# Altium PCB R3D904.PcbDoc (continued)
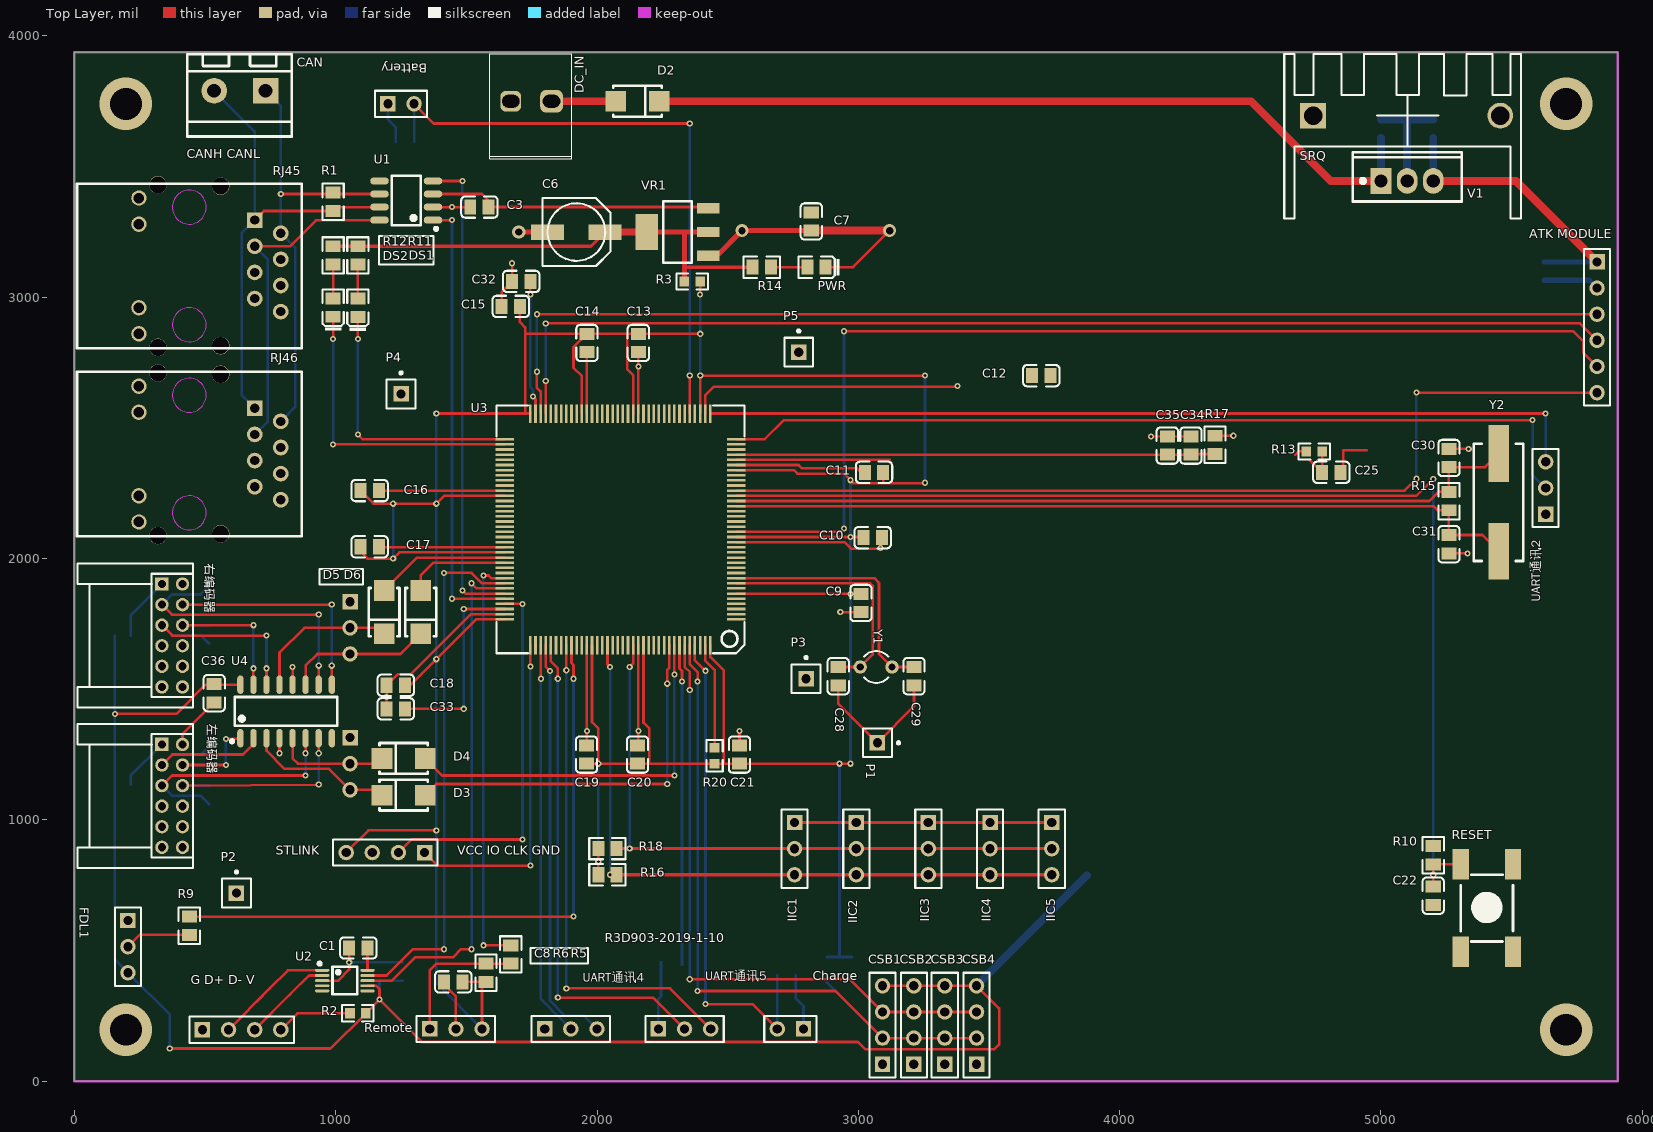
[diagram p0: Top Layer view]
## Footprints (in the part's own frame and the unit in brackets; to place one, negate y for a bottom-side part, rotate by r counter-clockwise, add the part's x,y. Pads: shape width x height; smd on the part's side, far side on the other; paste and mask are expansions set on the pad) (continued)
  rect 10x70.87 smd: 37(98.07,-787.38) 38(117.76,-787.38) 39(137.44,-787.38) 40(157.13,-787.38) 41(176.81,-787.38) 42(196.5,-787.38) 43(216.18,-787.38) 44(235.87,-787.38) 45(255.55,-787.38) 46(275.24,-787.38) 47(294.92,-787.38) 48(314.61,-787.38) 49(334.29,-787.38) 50(353.98,-787.38) 51(373.66,-787.38) 52(393.35,-787.38) 53(413.03,-787.38) 54(432.72,-787.38) 55(452.4,-787.38) 56(472.09,-787.38) 57(491.77,-787.38) 58(511.46,-787.38) 59(531.14,-787.38) 60(550.83,-787.38) 61(570.51,-787.38) 62(590.2,-787.38) 63(609.88,-787.38) 64(629.57,-787.38) 65(649.25,-787.38) 66(668.94,-787.38) 67(688.62,-787.38) 68(708.31,-787.38) 69(727.99,-787.38) 70(747.68,-787.38) 71(767.36,-787.38) 72(787.05,-787.38) 109(787.05,98.45) 110(767.36,98.45) 111(747.68,98.45) 112(727.99,98.45) 113(708.31,98.45) 114(688.62,98.45) 115(668.94,98.45) 116(649.25,98.45) 117(629.57,98.45) 118(609.88,98.45) 119(590.2,98.45) 120(570.51,98.45) 121(550.83,98.45) 122(531.14,98.45) 123(511.46,98.45) 124(491.77,98.45) 125(472.09,98.45) 126(452.4,98.45) 127(432.72,98.45) 128(413.03,98.45) 129(393.35,98.45) 130(373.66,98.45) 131(353.98,98.45) 132(334.29,98.45) 133(314.61,98.45) 134(294.92,98.45) 135(275.24,98.45) 136(255.55,98.45) 137(235.87,98.45) 138(216.18,98.45) 139(196.5,98.45) 140(176.81,98.45) 141(157.13,98.45) 142(137.44,98.45) 143(117.76,98.45) 144(98.07,98.45)
  silkscreen extent -32,-819 917,130
PHB_2x6_2.0 [mm] "Connector; Header; 6x2 Position"
  rect 1.3x1.3 hole 0.8: 1(0,0)
  round 1.3 hole 0.8: 2(0,2) 3(2,0) 4(2,2) 5(4,0) 6(4,2) 7(6,0) 8(6,2) 9(8,0) 10(8,2) 11(10,0) 12(10,2)
  silkscreen extent -2,-8.2 12,3
PIN1 [mm] "Connector; Plug"
  rect 1.5x1.5 hole 0.9: 1(0,0)
  silkscreen extent -1.4,-1.4 1.4,2.18
R38 [mm] "Crystal, Thru-Hole; 2 Leads; Body 3.1 x 8.2 mm (Dia.xH)"
  round 1.3 hole 0.7: 1(0,1.55) 2(0,-1.55)
  silkscreen extent -1.55,-1.19 1.55,1.17
RJ45 [mm]
  rect 1.524x1.524 hole 0.889: 1(10.168,-6.35)
  round 1.524 hole 0.889: 2(8.898,-8.89) 3(7.628,-6.35) 4(6.358,-8.89) 5(5.088,-6.35) 6(3.818,-8.89) 7(2.548,-6.35) 8(1.278,-8.89)
  round 1.5 hole 1.02: 9(12.318,4.9) 10(9.782,4.9) 11(1.654,4.9) 12(-0.882,4.9)
  round 1.7 hole 1.65: 13(13.468,-3.048) 13(13.605,3.05) 14(-2.2,3.05) 14(-2.032,-3.048)
  Keep-Out Layer circle w0.051: c0.004,0 r1.65
  Keep-Out Layer circle w0.051: c11.434,0 r1.65
  silkscreen extent -2.28,-10.92 13.72,10.92
"VH-2A - Circle Hole" [mm] "Header 2 use for Power"
  rrect50% 2.2x2.2 hole 1.24 slot 1.7 at 0 deg: 1(0,0)
  rrect50% 2x2 hole 1.24 slot 1.7 at 0 deg: 2(3.96,0)
  silkscreen extent -1.98,-4.6 6.02,5.61

## Part data
"ATK MODULE": "Header, 6-Pin", LatestRevisionDate=17-Jul-2002, LatestRevisionNote="Re-released for DXP Platform.", Publisher="Altium Limited"
Battery Charge: "Header, 2-Pin", LatestRevisionDate=17-Jul-2002, LatestRevisionNote="Re-released for DXP Platform.", Publisher="Altium Limited"
C1 C2 C3 C4 C8 C9 C10 C11 C12 C13 C14 C15 C16 C17 C18 C19 C20 C21 C22 C24 C35: library part "0805 100nF(104) 10% 50V", "贴片电容", Package=0805, SuppliersPartNumber=C49678, ComponentLink1Description=供应商链接, ComponentLink1URL=http://www.szlcsc.com/product/details_50686.html, Supplier=LC
C5 C7 C34: library part "0805 10uF (106) 10% 25V", "贴片电容", Package=0805, SuppliersPartNumber=C15850, ComponentLink1Description=供应商链接, ComponentLink1URL=http://www.szlcsc.com/product/details_16532.html, Supplier=LC
C6: library part CAP
C23: library part "0805 330nF (334) 10% 50V", "贴片电容", Package=0805, SuppliersPartNumber=C1740, ComponentLink1Description=供应商链接, ComponentLink1URL=http://www.szlcsc.com/product/details_2092.html, Supplier=LC
C25 C32 C33: library part "0805 2.2uF (225) 20% 50V", "贴片电容", Package=0805, SuppliersPartNumber=C49217, ComponentLink1Description=供应商链接, ComponentLink1URL=http://www.szlcsc.com/product/details_50225.html, Supplier=LC
C26 C27 C36: library part "0805 1uF (105) 10% 50V", "贴片电容", Package=0805, SuppliersPartNumber=C28323, ComponentLink1Description=供应商, ComponentLink1URL=http://www.szlcsc.com/product/details_29074.html, Supplier=LC
C28 C29: library part "0805 1.0pF (010) 0.25pF 50V", "贴片电容", Package=0805, SuppliersPartNumber=C14971, ComponentLink1Description=供应商链接, ComponentLink1URL=http://www.szlcsc.com/product/details_15644.html, Supplier=LC
C30 C31: library part "0805 22pF (220) 5% 50V", "贴片电容", Package=0805, SuppliersPartNumber=C1804, ComponentLink1Description=供应商链接, ComponentLink1URL=http://www.szlcsc.com/product/details_2156.html, Supplier=LC
CAN: library part HEAD2
CSB1 CSB2 CSB3 CSB4 "G D+ D- V" STLINK: "Header, 4-Pin", LatestRevisionDate=17-Jul-2002, LatestRevisionNote="Re-released for DXP Platform.", Publisher="Altium Limited"
D2 D3 D4 D5 D6: library part "SMA(DO-214AC) SS210", "二极管", Package=SMA(DO-214AC), SuppliersPartNumber=C14996, ComponentLink1Description=供应商链接, ComponentLink1URL=http://www.szlcsc.com/product/details_15669.html, Supplier=LC
DC_IN: "贴片2p座"
DS1: library part "0805 红灯", "发光二极管", Package=0805, SuppliersPartNumber=C2295, ComponentLink1Description=供应商链接, ComponentLink1URL=http://www.szlcsc.com/product/details_2668.html, Supplier=LC
DS2: library part "0805 翠绿", "发光二极管", Package=0805, SuppliersPartNumber=C2297, ComponentLink1Description=供应商链接, ComponentLink1URL=http://www.szlcsc.com/product/details_2670.html, Supplier=LC
FDL1 IIC1 IIC2 IIC3 IIC4 IIC5 LEFT_IN Remote RIGHT_IN UART通讯2 UART通讯4 UART通讯5: "Header, 3-Pin", LatestRevisionDate=17-Jul-2002, LatestRevisionNote="Re-released for DXP Platform.", Publisher="Altium Limited"
PWR: library part "0805 蓝灯", "发光二极管", Package=0805, SuppliersPartNumber=C2293, ComponentLink1Description=供应商链接, ComponentLink1URL=http://www.szlcsc.com/product/details_2666.html, Supplier=LC
R1 R23 R24 R25 R26: library part "0805 120Ω (1200) 1%", "贴片电阻", Package=0805, SuppliersPartNumber=C17437, ComponentLink1Description=供应商链接, ComponentLink1URL=http://www.szlcsc.com/product/details_18125.html, Supplier=LC
R2: library part "0603 1Ω (1R00) 1%", "贴片电阻", Package=0603, SuppliersPartNumber=C22936, ComponentLink1Description=供应商链接, ComponentLink1URL=http://www.szlcsc.com/product/details_23663.html, Supplier=LC
R3 R13 R20 R21 R22: library part "0603 0Ω (0R0) 1%", "贴片电阻", Package=0603, SuppliersPartNumber=C21189, ComponentLink1URL=http://www.szlcsc.com/product/details_21903.html, Supplier=LC
  R3 R13 R20: ComponentLink1Description=供应商链接
  R21 R22: ComponentLink1Description=供应商
R4 R6 R7 R9 R16 R18: library part "0805 4.7KΩ (4701) 1%", "贴片电阻", Package=0805, SuppliersPartNumber=C17673, ComponentLink1URL=http://www.szlcsc.com/product/details_18361.html, Supplier=LC
  R4 R7 R9: ComponentLink1Description=供应商
  R6 R16 R18: ComponentLink1Description=供应商链接
R5: library part "0805 1KΩ (1001) 1%", "贴片电阻", Package=0805, SuppliersPartNumber=C17513, ComponentLink1Description=供应商链接, ComponentLink1URL=http://www.szlcsc.com/product/details_18201.html, Supplier=LC
R10 R19: library part "0805 10KΩ (1002) 1%", "贴片电阻", Package=0805, SuppliersPartNumber=C17414, ComponentLink1Description=供应商链接, ComponentLink1URL=http://www.szlcsc.com/product/details_18102.html, Supplier=LC
R11 R12 R14: library part "0805 510KΩ (5103) 1%", "贴片电阻", Package=0805, SuppliersPartNumber=C17733, ComponentLink1Description=供应商链接, ComponentLink1URL=http://www.szlcsc.com/product/details_18421.html, Supplier=LC
R15: library part "0805 1MΩ (1004) 1%", "贴片电阻", Package=0805, SuppliersPartNumber=C17514, ComponentLink1Description=供应商链接, ComponentLink1URL=http://www.szlcsc.com/product/details_18202.html, Supplier=LC
R17: library part "0805 10Ω (10R0) 1%", "贴片电阻", Package=0805, SuppliersPartNumber=C17415, ComponentLink1Description=供应商链接, ComponentLink1URL=http://www.szlcsc.com/product/details_18103.html, Supplier=LC
SRQ: library part Hot_Clear
U1: "CAN", Package=SOIC-8_150mil, SuppliersPartNumber=C6952, ComponentLink1Description=供应商链接, ComponentLink1URL=http://www.szlcsc.com/product/details_7424.html, Supplier=LC
U2: "USB", Package=SOIC-16_150mil, SuppliersPartNumber=C14267, ComponentLink1Description=供应商链接, ComponentLink1URL=http://www.szlcsc.com/product/details_14927.html, Supplier=LC
U4: "接口芯片", Package=SOIC-16_150mil, SuppliersPartNumber=C6180, ComponentLink1Description=供应商链接, ComponentLink1URL=http://www.szlcsc.com/product/details_6646.html, Supplier=LC
V1: "Power Chip"
VR1: library part "SOT-223 AMS1117-3.3", "低压差线性稳压(LDO)", Package=SOT-223, SuppliersPartNumber=C6186, ComponentLink1Description=供应商链接, ComponentLink1URL=http://www.szlcsc.com/product/details_6652.html, Supplier=LC
Y1 Y2: library part XTAL, "Crystal Oscillator", LatestRevisionDate=17-Jul-2002, LatestRevisionNote="Re-released for DXP Platform.", Published=8-Jun-2000, Publisher="Altium Limited"
  Y1: PackageDescription="Crystal, Thru-Hole; 2 Leads; Body 3.1 x 8.2 mm (Dia.xH)", PackageReference=R38
右编码器 左编码器: "Header, 6-Pin, Dual row", LatestRevisionDate=17-Jul-2002, LatestRevisionNote="Re-released for DXP Platform.", Publisher="Altium Limited"
P1 P2 P3 P4 P5: LatestRevisionDate=17-Jul-2002, LatestRevisionNote="Re-released for DXP Platform.", Publisher="Altium Limited"

## Via types
v1: diameter 23.62, hole 11.81, Top Layer to Bottom Layer, 112 vias
v2: diameter 200.79, hole 122.05, Top Layer to Bottom Layer, 4 vias
v3: diameter 50, hole 28, Top Layer to Bottom Layer, 3 vias

## Nets (pads, with @x,y where several pads share a name; then routed paths per layer and width w, separated by ;. In a path a pad name is that pad's centre, name@x,y a point inside that pad or via, vN(x,y) a via of type N, cw(c..) or ccw(c..) an arc to the next point about the centre after c; other vN are vias at no path point)
+3.3: C6.1 R3.1 R11.2 R12.2 R14.2 VR1.2 | length 1908.7
  Top Layer w12: R12.2 1976.81,3195 C6.1 ; 2335,3115 R14.2
  Top Layer w20: VR1.2@2189.72,3249.45 2335,3249.45 ; R3.1 2335,3060.63 2335,3115 2335,3249.45 ; 2335,3250 2335,3249.45 ; VR1.2@2425.94,3249.45 2335,3249.45
  Top Layer w28: C6.1 VR1.2@2189.72,3249.45
+5: "ATK MODULE.1" C2.1 C3.1 C4.2 C5.1 C7.2 C24.2 C36.2 CSB1.4 CSB2.4 CSB3.4 CSB4.4 FDL1.3 R2.1 R21.2 R22.2 U1.3 U2.7 U4.16 V1.3 VR1.3 | length 9226.4
  Top Layer w10: v1(155,1405) 155.8,1405.8 390.8,1405.8 502.36,1517.36 U4.16 ; v1(365,125) 980.31,125 R2.1 v1(1167.64,312.32) ; U2.7 1154.37,365.31 1167.64,352.05 v1(1167.64,312.32) ; U1.3 1560,3395 1585.04,3369.96 C3.1 ; CSB1.4 CSB2.4 CSB3.4 CSB4.4 3538.46,278.94 3538.46,140.17 3520,121.71 3026.72,121.71 2998.43,150 1329.96,150 v1(1167.64,312.32)
  Top Layer w12: C3.1 2420.94,3345 VR1.3
  Top Layer w30: V1.3 5516.77,3445 5826.77,3135
  Bottom Layer w10: v1@154.68,1395.32 R22.2 ; v1(155,1405) 155,1135.32 R21.2 154.68,465.32 FDL1.3 365,255 v1(365,125) ; v1(1167.64,312.32) 1167.64,384.25 C5.1 C2.1
  Bottom Layer w20: C4.2 5826.73,3135.04 5826.77,3135
  Bottom Layer w30: CSB4.4 3875,787.6 ; V1.3 C24.2
A+1: R23.1 U4.2 左编码器.3 | length 614.8
  Top Layer w10: 左编码器.3 375,1250 645,1250 685,1290 U4.2
  Bottom Layer w10: 左编码器.3 375,1250 485,1250 R23.1
A+2: R26.1 U4.10 右编码器.3 | length 1093.4
  Top Layer w10: 右编码器.3 373.59,1785.15 934.4,1785.15 v1(935,1785.75) ; U4.10 v1(935,1590)
  Bottom Layer w10: 右编码器.3 373.59,1862.33 482.29,1862.33 R26.1 ; v1(935,1590) v1@935,1785
A-1: R23.2 U4.1 左编码器.4 | length 423.6
  Top Layer w10: 左编码器.4 v1(580,1210) ; v1(580,1310) 632.36,1310 U4.1
  Bottom Layer w10: 左编码器.4 514.92,1210 R23.2 ; v1(580,1210) v1(580,1310)
A-2: R26.2 U4.9 右编码器.4 | length 979.4
  Top Layer w10: 右编码器.4 v1(985,1823.74) ; U4.9 v1(985,1590)
  Bottom Layer w10: 右编码器.4 513.78,1823.74 R26.2 ; v1(985,1590) v1(985,1823.74)
B+1: R25.2 U4.6 左编码器.5 | length 918.2
  Top Layer w10: 左编码器.5 373.74,1170 v1(885,1170) ; v1(885,1255) U4.6
  Bottom Layer w10: 左编码器.5 373.59,1092.67 482.29,1092.67 R25.2 ; v1(885,1170) v1(885,1255)
B+2: R24.2 U4.14 右编码器.5 | length 820.3
  Top Layer w10: 右编码器.5 375,1705 v1(735,1705) ; U4.14@735,1510.07 U4.14 v1(735,1580)
  Bottom Layer w10: 右编码器.5 375,1705 485.45,1705 R24.2 ; v1(735,1580) v1(735,1705)
B-1: R25.1 U4.7 左编码器.6 | length 800.7
  Top Layer w10: 左编码器.6 v1(935,1135) ; v1(935,1255) U4.7
  Bottom Layer w10: 左编码器.6 513.78,1131.26 R25.1 ; v1(935,1135) v1(935,1255)
B-2: R24.1 U4.15 右编码器.6 | length 600.4
  Top Layer w10: 右编码器.6 v1(685,1745) ; U4.15 v1(685,1580)
  Bottom Layer w10: 右编码器.6 514.47,1745 R24.1 ; v1(685,1580) v1(685,1745)
Battery: Battery.2 C27.2 U3.41 | length 2341.3
  Top Layer w10: Battery.2 1375.16,3665 v1(2355,3665) ; U3.41 v1(2354.96,2699.96)
  Bottom Layer w10: Battery.2 C27.2 C27.2 ; v1(2354.96,2699.96) v1(2354.96,2699.96) v1(2355,3665)
BOOT0: R19.2 U3.138 | length 1228.1
  Top Layer w10: U3.138 2315.59,1579.41 2325,1570 v1(2325,1530)
  Bottom Layer w10: R19.2@2325,445 v1(2325,1530)
BOOT1: U3.48
CAN_H: CAN.2 R1.2 RJ45.1 RJ46.1 U1.7 | length 1819
  Top Layer w10: RJ45.1 724.96,3329.96 R1.2 1005.04,3345 U1.7
  Bottom Layer w10: CAN.2 690,3635 RJ45.1 640,3245 640,2625 RJ46.1
CAN_L: CAN.1 R1.1 RJ45.2 RJ46.2 U1.6 | length 1712.3
  Top Layer w10: v1(790,3395) U1.6
  Bottom Layer w10: CAN.1 790,3731.85 v1(790,3395) RJ45.2 845,3190 845,2580 RJ46.2
CAN_RX: U1.4 U3.103 | length 1845.9
  Top Layer w10: U1.4 v1(1485,3445) ; v1(1485,1878) 1496.98,1866.02 U3.103
  Bottom Layer w10: v1(1485,1878) v1(1485,3445)
CAN_TX: U1.1 U3.104 | length 1722.6
  Top Layer w10: U1.1 v1(1445,3295) ; v1(1445,1846.34) U3.104
  Bottom Layer w10: v1(1445,1846.34) v1(1445,3295)
Charge: C26.2 Charge.2 U3.141 | length 1913.1
  Top Layer w10: U3.141 2374.65,1610.35 v1(2414.51,1570.49) ; v1(2415,295) 2595,295 Charge.2
  Bottom Layer w10: v1@2412.52,1572.48 2415,1570 v1(2415,295) ; C26.2 2690,404.92 Charge.2
FDL1: R9.2 U3.117 | length 2512.4
  Top Layer w10: R9.2 v1(1910,630) ; U3.117 1902.2,1600.31 1910,1592.52 v1(1910,1540)
  Bottom Layer w10: v1(1910,630) v1(1910,1540)
GBC_KEY: "ATK MODULE.5" U3.18 | length 4136.2
  Top Layer w10: U3.18 2932.24,2102.24 v1(2945,2115) ; v1(2945,2870) 5735,2870 5775,2830 5775,2786.77 5826.77,2735
  Bottom Layer w10: v1(2945,2115) v1(2945,2870)
GBC_LED: "ATK MODULE.6" U3.26 | length 3643.1
  Top Layer w10: U3.26 5090.08,2259.72 ; 5090.08,2260.35 5090.71,2260.35 5135.35,2305 v1(5135.35,2305.35) ; v1(5135.35,2635) 5826.77,2635
  Bottom Layer w10: v1(5135.35,2305.35) v1(5135.35,2635)
GBC_RX: "ATK MODULE.4" U3.69 | length 4394.9
  Top Layer w10: U3.69 v1(1803.78,2680) ; v1(1803.78,2900) 5761.77,2900 5826.77,2835
  Bottom Layer w10: v1(1803.78,2680) v1(1803.78,2900)
GBC_TX: "ATK MODULE.3" U3.70 | length 4442.6
  Top Layer w10: v1(1770,2715) 1770,2653.32 1784.1,2639.23 U3.70 ; v1(1770,2935) 5826.77,2935
  Bottom Layer w10: v1(1770,2715) v1(1770,2935)
GND: "ATK MODULE.2" "G D+ D- V.1" Battery.1 C1.2 C2.2 C3.2 C4.1 C5.2 C6.2 C7.1 C8.1 C9.2 C10.2 C11.2 C12.2 C13.2 C14.2 C15.2 C16.2 C17.2 C18.2 C19.2 C20.2 C21.2 C22.1 C23.1 C24.1 C25.1 C26.1 C27.1 C28.1 C29.1 C30.1 C31.1 C32.2 C33.2 C34.1 C35.1 C36.1 Charge.1 CSB1.1 CSB2.1 CSB3.1 CSB4.1 DC_IN.2 FDL1.1 IIC1.1 IIC2.1 IIC3.1 IIC4.1 IIC5.1 LEFT_IN.1 P1.1 P2.1 P3.1 P4.1 P5.1 PWR.K R19.1 Remote.2 RESET.2 RIGHT_IN.1 RJ45.3 RJ46.3 STLINK.3 U1.2 U1.8 U2.3 U3.16 U3.31 U3.38 U3.51 U3.61 U3.83 U3.94 U3.107 U3.120 U3.130 U4.4 U4.8 U4.12 UART通讯2.1 UART通讯4.1 UART通讯5.1 V1.2 VR1.1 右编码器.2 左编码器.2 | length 12159
  Top Layer w8: v1(4120.04,2467.6) C34.1
  Top Layer w10: 左编码器.2 413.74,1328.7 C36.1 ; RJ45.3 825,3195 924.13,3294.13 1166.76,3294.13 U1.8 ; v1(785,1255) U4.4 ; U4.12 v1(835,1585) ; U2.3 995,385 ; U2.3@975,385 995,385 ; C1.2 v1(1051.54,455) 1051.54,426.54 1010,385 995,385 ; C17.2 1166.81,2043.19 U3.94 ; C16.2 1165.28,2259.72 U3.83 ; C33.2 1195,1425.08 v1(1195,1470.04) C18.2 1195,1515.08 1236.86,1556.94 1286.94,1556.94 1517.28,1787.28 U3.107 ; U1.2 v1(1445,3345) C3.2 ; C8.1 1415,370 1460,325 Remote.2 ; C15.2 1634.92,3020.63 C32.2 v1(1674.92,3129.92) ; C19.2 1961.26,1286.3 v1(1961.26,1340) U3.120 ; U3.61 C14.2 ; C20.2 2158.11,1288.15 v1(2158.11,1340) U3.130 ; U3.51 v1(2158.11,2735) C13.2 ; U3.38 2414.02,2624.02 2448.06,2658.06 3378.06,2658.06 v1(3380,2660) ; U3.16 2947.13,2062.87 2971.94,2038.06 3083.06,2038.06 v1(3085,2040) 3085,2074.96 C10.2 C10.2@3090.04,2079.92 ; U3.31 2771.85,2358.15 2785,2345 2994.96,2345 C11.2@3009.96,2330 ; C21.2 v1(2545,1340) ; IIC1.1 IIC2.1 IIC3.1 IIC5.1 ; PWR.K 2980.04,3115 v3(3120,3255) ; C28.1 2923,1445 P1.1 3213,1435 C29.1 ; v1(2930.94,1794.96) C9.2 ; C25.1 4855,2339.96 4855,2414.92 4855.04,2414.88 4945,2414.88 ; C31.1 v1(5330.71,2019.88) ; C30.1 v1@5335.59,2420
  Top Layer w20: v3(1700.55,3249.45) C6.2 ; VR1.1 2458.9,3158.9 v3(2555,3255) C7.1
  Top Layer w30: C7.1 v3(3120,3255)
  Bottom Layer w10: RJ46.3 740,2525 740,3145 RJ45.3 ; v1(1051.54,455) 1256.85,455 C2.2 ; Battery.1 1200,3680 1229.96,3650.04 C27.1 ; UART通讯5.1 2235,315 2244.92,324.92 R19.1 ; C26.1 2760,317.54 2790,287.54 Charge.1
  Bottom Layer w20: C4.1 5796.81,3064.96 5826.77,3035
  Bottom Layer w30: C23.1 5100,3680.04 ; V1.2 5100,3680.04 ; C24.1 5100,3680.04
  other v1: 5335.59,2419.41
I2C_SCL: CSB1.3 CSB2.3 CSB3.3 CSB4.3 R4.1 U3.139 | length 2625.1
  Top Layer w10: U3.139 2335.27,1585.18 2354.96,1565.5 v1(2354.96,1497) ; v1(2354.96,390) 2967.4,390 CSB1.3 CSB2.3 CSB3.3 CSB4.3
  Bottom Layer w10: v1(2354.96,390) v1(2354.96,1497) ; R4.1 2975,382.4 CSB1.3
I2C_SDA: CSB1.2 CSB2.2 CSB3.2 CSB4.2 R7.2 U3.140 | length 2806.5
  Top Layer w10: U3.140 2355,1669.13 2355,1594.91 2384.91,1565 v1(2384.91,1530.09) ; v1(2384.91,345.09) 2912.31,345.09 CSB1.2 CSB2.2 CSB3.2 CSB4.2
  Bottom Layer w10: v1(2384.91,345.09) v1(2384.91,1530.09) ; R7.2 2880,377.4 CSB1.2
IIC_SCL: IIC1.3 IIC2.3 IIC3.3 IIC4.3 IIC5.3 R16.1 U3.124 | length 2573.5
  Top Layer w10: U3.124 2040,1595 v1(2050,1585) ; v1(2050,790) R16.1
  Top Layer w12: R16.1 IIC2.3 IIC5.3
  Bottom Layer w10: v1(2050,790) v1(2050,1585)
IIC_SDA: IIC1.2 IIC2.2 IIC3.2 IIC4.2 IIC5.2 R18.2 U3.129 | length 2449.9
  Top Layer w10: v1(2125,1585) 2138.43,1598.43 U3.129
  Top Layer w12: R18.2 IIC1.2 IIC2.2 IIC3.2 IIC4.2 IIC5.2
  Bottom Layer w10: v1(2125,890) v1(2125,1585)
LED0: DS1.K U3.73 | length 1018.9
  Top Layer w10: v1(1085,2475) 1103.43,2456.57 U3.73 ; v1(1085,2840) DS1.K
  Bottom Layer w10: v1(1085,2475) v1(1085,2840)
LED1: DS2.K U3.74 | length 1144.6
  Top Layer w10: v1(990,2436.89) U3.74 ; v1(990,2840) DS2.K
  Bottom Layer w10: v1(990,2436.89) v1(990,2840)
Left_1: D3.2 LEFT_IN.3 U4.3 | length 560.4
  Top Layer w10: U4.3 735,1265 805,1195 975,1195 LEFT_IN.3 1157.32,1115 D3.2
Left_2: D4.2 LEFT_IN.2 U4.5 | length 436.5
  Top Layer w10: U4.5 835,1235 855,1215 LEFT_IN.2 1157.32,1215 D4.2
LEFT_DIR: U3.14
LEFT_PULSE: U3.20
NetC1_1: C1.1 U2.10 | length 85.6
  Top Layer w10: U2.10 C1.1
NetC23_2: C23.2 D2.2 V1.1 | length 3053.6
  Top Layer w30: D2.2 2522.68,3750 4502.68,3750 4807.68,3445 V1.1
  Bottom Layer w30: V1.1 C23.2
NetC28_2: C28.2 U3.8 Y1.1 | length 941
  Top Layer w10: U3.8 3044.6,1905.4 3055,1895 3055,1633.02 Y1.1 C28.2
NetC29_2: C29.2 U3.9 Y1.2 | length 981.1
  Top Layer w10: U3.9 3060.94,1925.08 3079.02,1907 3079.02,1635 Y1.2 C29.2 C29.2
NetC30_2: C30.2 R15.1 U3.24 Y2.1 | length 3048.7
  Top Layer w10: U3.24 5185.35,2220.35 5220,2255 R15.1 C30.2 5397.91,2349.92 Y2.1
NetC31_2: C31.2 R15.2 U3.23 Y2.2 | length 3045.2
  Top Layer w10: U3.23 5200.31,2200.67 ; 3254.25,2200.35 3254.57,2200.35 ; 5200.31,2200.35 5200.63,2200.35 5216.06,2184.92 R15.2 C31.2 5388.03,2089.96 Y2.2
NetC32_1: C32.1 U3.71 | length 513.7
  Top Layer w10: v1(1745,3010) C32.1 ; v1(1755,2620) 1764.41,2610.59 U3.71
  Bottom Layer w10: v1(1745,3010) 1745,2655 1755,2645 v1(1755,2620)
NetC33_1: C33.1 U3.106 | length 763.3
  Top Layer w10: C33.1 v1(1490,1425) ; v1(1490,1806.97) U3.106
  Bottom Layer w10: v1(1490,1425) v1(1490,1806.97)
NetD2_1: D2.1 DC_IN.1 | length 246.4
  Top Layer w30: DC_IN.1 D2.1
NetD3_1: D3.1 U3.136 | length 1478.5
  Top Layer w10: D3.1 1385.16,1137.48 v1(2268.74,1137.48) ; v1(2268.74,1521.26) 2268.74,1573.74 2276.22,1581.22 U3.136
  Bottom Layer w10: v1(2268.74,1137.48) v1(2268.74,1521.26)
NetD4_1: D4.1 U3.137 | length 1479.3
  Top Layer w10: D4.1 1407.68,1170 v1(2295.9,1170) ; v1(2295.9,1555.9) U3.137
  Bottom Layer w10: v1(2295.9,1170) v1(2295.9,1555.9)
NetD5_1: D5.1 U3.96 | length 527.7
  Top Layer w10: D5.1@1165,1877.68 D5.1@1175,1887.68 ; D5.1 1311.14,2003.82 U3.96
NetD6_1: D6.1 U3.97 | length 413.1
  Top Layer w10: D6.1@1305,1877.68 D6.1@1315,1887.68 ; D6.1 1325,1935 1374.13,1984.13 U3.97
NetDS1_A: DS1.A R11.1 | length 131.1
  Top Layer w10: DS1.A@1085,2993.82 R11.1
NetDS2_A: DS2.A R12.1 | length 129.6
  Top Layer w10: DS2.A R12.1
NetFDL1_2: FDL1.2 R9.1 | length 253.6
  Top Layer w10: FDL1.2 249.92,559.92 R9.1
"NetG D+ D- V_2": "G D+ D- V.2" U2.1 | length 524.7
  Top Layer w10: 590,196.85 747.52,354.37 ; 696.57,303.43 747.52,354.37 ; U2.1 817.52,424.37 747.52,354.37
"NetG D+ D- V_3": "G D+ D- V.3" U2.2 | length 351.1
  Top Layer w10: 690,196.85 827.83,334.69 ; 823.15,330 827.83,334.69 ; U2.2 897.83,404.69 827.83,334.69
"NetG D+ D- V_4": "G D+ D- V.4" R2.2 | length 290.8
  Top Layer w10: 790,196.85 853.15,260 R2.2
NetPWR_A: PWR.A R14.1 | length 139.9
  Top Layer w10: R14.1 PWR.A
NetR5_2: R5.2 R6.1 Remote.1 | length 545.4
  Top Layer w10: Remote.1 1360,425 1385.08,450.08 R6.1 1669.88,450.08 R5.2
NetR20_2: R20.2 U3.143 | length 408.5
  Top Layer w10: U3.143 2414.02,1609.69 2450,1573.7 R20.2
NetR21_1: R21.1 左编码器.1 | length 203.3
  Bottom Layer w10: R21.1 215.31,1169.06 左编码器.1
NetR22_1: R22.1 右编码器.1 | length 247.1
  Bottom Layer w10: R22.1 215.31,1782.8 右编码器.1
REMOTE_IN: R5.1 U3.100 | length 1605.4
  Top Layer w10: v1(1565,520) R5.1 R5.1 ; v1(1565,1935) 1585,1935 1594.92,1925.08 U3.100
  Bottom Layer w10: v1(1565,520) v1(1565,1935)
RESET: C22.2 R10.2 RESET.1 U3.25 | length 4399.7
  Top Layer w10: U3.25 2689.69,2240.04 2690,2240.35 3680.35,2240.35 5135.35,2240.35 v1(5200,2305) ; C22.2 v1(5200,790) R10.2 R10.2 RESET.1@5305,830
  Bottom Layer w10: v1(5200,790) v1(5200,2305)
Right_1: D5.2 RIGHT_IN.2 U4.13 | length 571.4
  Top Layer w10: U4.13 785,1640 880,1735 RIGHT_IN.2 1162.32,1735 D5.2
Right_2: D6.2 RIGHT_IN.3 U4.11 | length 563.3
  Top Layer w10: U4.11 885,1590 930,1635 RIGHT_IN.3 1247.68,1635 D6.2
RIGHT_DIR: U3.15
RIGHT_PULSE: U3.21
SWCLK: STLINK.1 U3.109 | length 1272.1
  Top Layer w10: STLINK.1 1390,825 v1(1745,825) ; v1@1744.73,1585.27 U3.109
  Bottom Layer w10: v1(1745,825) v1(1745,1587.52)
SWDIO: STLINK.2 U3.105 | length 1466.1
  Top Layer w10: STLINK.2 1290,925 v1(1715,925) ; U3.105 v1(1715,1826.65)
  Bottom Layer w10: v1(1715,925) v1(1715,1826.65)
U2_RX: U3.37 UART通讯2.3 | length 3381.3
  Top Layer w10: U3.37 5629.84,2555 v1(5629.92,2554.92)
  Bottom Layer w10: v1@5629.92,2555 v1(5629.92,2554.92) 5629.92,2370.08 UART通讯2.3
U2_TX: U3.36 UART通讯2.2 | length 3359
  Top Layer w10: U3.36 2641.57,2456.57 2715,2530 v1(5580,2530)
  Bottom Layer w10: v1(5580,2530) 5580,2320 UART通讯2.2
U4_RX: U3.112 UART通讯4.3 | length 1603.2
  Top Layer w10: U3.112 1803.78,1586.22 v1(1820,1570)
  Bottom Layer w10: v1(1820,1570) 1820,308 1878,250 1950,250 UART通讯4.3 ; UART通讯4.3@2007.5,207.5 UART通讯4.3@2015,200
U4_TX: U3.111 UART通讯4.2 | length 1528.1
  Top Layer w10: U3.111 1784.1,1540.9 v1(1785,1540)
  Bottom Layer w10: v1(1785,1540) 1785,315 1802,298 1802,297.54 1847.54,252 1848,252 UART通讯4.2 ; UART通讯4.2@1907.5,207.5 UART通讯4.2@1915,200
U5_RX: U3.116 UART通讯5.3 | length 1931.3
  Top Layer w10: v1(1882.52,355) 2280,355 UART通讯5.3 ; v1(1882.52,1572.48) U3.116
  Bottom Layer w10: v1(1882.52,355) 1882.52,1571.52 1883,1572 v1(1882.52,1572.48)
U5_TX: U3.113 UART通讯5.2 | length 1894.9
  Top Layer w10: U3.113 1823.47,1606.53 1850,1580 v1(1850,1540) ; v1(1850,320) 2215,320 UART通讯5.2
  Bottom Layer w10: v1(1850,320) v1(1850,1540)
U_RX: U2.8 U3.102 | length 1983
  Top Layer w10: U2.8 1215,385 1305.04,475.04 1450.04,475.04 1480,505 v1(1520,505) ; v1(1519.91,1905.4) 1539.6,1885.71 U3.102
  Bottom Layer w10: v1@1519.91,505 v1(1519.91,1905.4)
U_TX: U2.9 U3.101 | length 2022.6
  Top Layer w10: U2.9 1194.69,404.68 1295,505 v1(1415,505) ; v1(1415,1945) 1519.91,1945 1559.52,1905.39 U3.101
  Bottom Layer w10: v1(1415,505) v1(1415,1945)
VCC3.3M: C8.2 C9.1 C10.1 C11.1 C12.1 C13.1 C14.1 C15.1 C16.1 C17.1 C18.1 C19.1 C20.1 C21.1 R3.2 R4.2 R6.2 R7.1 R10.1 R16.2 R17.2 R18.1 R20.1 Remote.3 STLINK.4 U3.6 U3.17 U3.30 U3.39 U3.52 U3.62 U3.72 U3.84 U3.95 U3.108 U3.121 U3.131 U3.144 | length 15464.7
  Top Layer w8: R17.2 v1(4434.96,2470.04)
  Top Layer w10: STLINK.4 1125,960 v1(1385,960) ; C17.1 1094.92,2026.69 1121.61,2000 v1(1220,2000) 1243.5,2023.5 U3.95 ; C16.1 1094.92,2259.92 1144.84,2210 v1(1220,2210) v1(1385,2210) 1415,2240.04 U3.84 ; C18.1 1285,1515 v1(1385,1615) 1537.6,1767.6 U3.108 ; v1(1385,2555) 1725,2555 ; C8.2 R6.2 1560,365 1560,305 Remote.3 ; C15.1 1705,2905 1725,2885 1725,2860 ; U3.72 1725,2555 ; U3.62 1941.57,2698.35 1910,2729.92 1910,2808.9 C14.1@1961.18,2860.08 ; C19.1 v1(2005,1215) C20.1 2200,1214.96 ; U3.121 1980.94,1374.06 2005,1350 v1(2005,1215) ; R16.2 R18.1 ; U3.52 2138.43,2701.57 2115,2725 2115,2860 ; C20.1@2155,1229.96 C20.1@2155.08,1229.96 ; U3.131 2177.79,1372.21 2200,1350 2200,1214.96 ; U3.39 v1@2394.33,2700 ; v1(2394.33,3010) 2395,3010.67 R3.2 ; v1(2395,2700) v1(3255,2700) ; v1(2395,2860) 2115,2860 ; U3.144 2433.7,1622.52 2485,1571.22 2485,1214.96 ; U3.6 C9.1@3009.01,1866.02 ; U3.17 v1(2970,2082.56) 3017.4,2082.56 C10.1 ; U3.30 2752.87,2338.46 2766.34,2325 2945,2325 v1(2970,2300) 2982,2288 3100,2288 ; v1(2970,1215) v1(2970,1215) C21.1 2485,1214.96 ; C11.1 3095.04,2292.96 3100,2288 ; v1(3255,2290) v1(3255,2290) 3253,2288 3100,2288 ; 1725,2555 1725,2860 ; 1725,2860 1725.08,2860.08 C14.1@1961.18,2860.08 ; C14.1@1961.18,2860.08 C14.1 1961.34,2860 2115,2860 ; 2200,1214.96 2485,1214.96
  Bottom Layer w10: v1(1220,2000) v1(1220,2210) ; v1(1385,2555) v1(1385,2210) v1(1385,1615) v1(1385,960) 1385,375 Remote.3 ; v1(2005,840) v1(2005,1215) ; v1@2394.33,2700 v1(2394.33,3010) ; v1(2970,1215) v1(2970,1865) v1(2970,2082.56) v1(2970,2300) ; v1(3255,2290) v1(3255,2700)
  Bottom Layer w12: R7.1 2927.5,475.04 ; v1(2927.5,1215) 2927.5,475.04 ; R4.2 2927.5,475.04
VDDA: C34.2 C35.2 R13.2 R17.1 U3.33 | length 1881.3
  Top Layer w10: C35.2 C35.2@4182.52,2397.52 ; R17.1 4274.92,2399.96 C34.2 C35.2@4182.52,2397.52 ; 4672.52,2397.52 4685,2410 R13.2 ; U3.33 C35.2@4182.52,2397.52 ; U3.33 U3.33@2532.16,2397.48
VREF+: C25.2 R13.1 U3.32 | length 735.7
  Top Layer w10: U3.32 3120,2377.83 3120.13,2377.71 ; 4727.25,2377.71 C25.2 4775.31,2330.35 R13.1
Z+1: 左编码器.7
Z+2: 右编码器.7
Z-1: 左编码器.8
Z-2: 右编码器.8
pads on no net: RJ45.4 RJ45.5 RJ45.6 RJ45.7 RJ45.8 RJ45.9 RJ45.10 RJ45.11 RJ45.12 RJ45.13 RJ45.14 RJ46.4 RJ46.5 RJ46.6 RJ46.7 RJ46.8 RJ46.9 RJ46.10 RJ46.11 RJ46.12 RJ46.13 RJ46.14 SRQ.1 SRQ.2 U1.5 U2.4 U2.5 U2.6 U3.1 U3.2 U3.3 U3.4 U3.5 U3.7 U3.10 U3.11 U3.12 U3.13 U3.19 U3.22 U3.27 U3.28 U3.29 U3.34 U3.35 U3.40 U3.42 U3.43 U3.44 U3.45 U3.46 U3.47 U3.49 U3.50 U3.53 U3.54 U3.55 U3.56 U3.57 U3.58 U3.59 U3.60 U3.63 U3.64 U3.65 U3.66 U3.67 U3.68 U3.75 U3.76 U3.77 U3.78 U3.79 U3.80 U3.81 U3.82 U3.85 U3.86 U3.87 U3.88 U3.89 U3.90 U3.91 U3.92 U3.93 U3.98 U3.99 U3.110 U3.114 U3.115 U3.118 U3.119 U3.122 U3.123 U3.125 U3.126 U3.127 U3.128 U3.132 U3.133 U3.134 U3.135 U3.142 右编码器.9 右编码器.10 右编码器.11 右编码器.12 左编码器.9 左编码器.10 左编码器.11 左编码器.12
copper on no net:
  other v2: 196.85,196.85 5708.66,196.85 196.85,3740.16 5708.66,3740.16

## Keep-outs
Keep-Out Layer:
  the board outline again, w10

## Silkscreen, mask and mechanical layers (free items; w line width, h text height)
Top Overlay:
  lines w7.87: 937.48,1900 1105,1900 1105,1960 937.48,1960 937.48,1900 ; 1165,3125 1375,3125 1375,3235 1165,3235 1165,3125 ; 1745,450 1745,510 1965,510 1965,450 1745,450
  text "CANH CANL" at 430,3520 h60
  text "VCC IO CLK GND" at 1465,855 h60
  text "R3D903-2019-1-10" at 2030,520 h60

## Dimensions
0,0 to 0,3937.01 on Top Overlay
196.85,3740.16 to 196.85,196.85 on Top Overlay
196.85,3740.16 to 5708.66,3740.16 on Top Overlay
5905.51,3937.01 to 0,3937.01 on Top Overlay

## Text inside footprints (layer, text, board x,y; h text height)
右编码器: Bottom Overlay "2" at 250,1893.48 h60 r270; Bottom Overlay "1" at 170,1897.48 h60 r270; Bottom Overlay "12" at 247,1489.48 h60 r270; Bottom Overlay "11" at 164,1491.48 h60 r270
左编码器: Bottom Overlay "2" at 250,1279.74 h60 r270; Bottom Overlay "1" at 170,1283.74 h60 r270; Bottom Overlay "12" at 247,875.74 h60 r270; Bottom Overlay "11" at 164,877.74 h60 r270